# KiCad board myCnc2.kicad_pcb (continued)
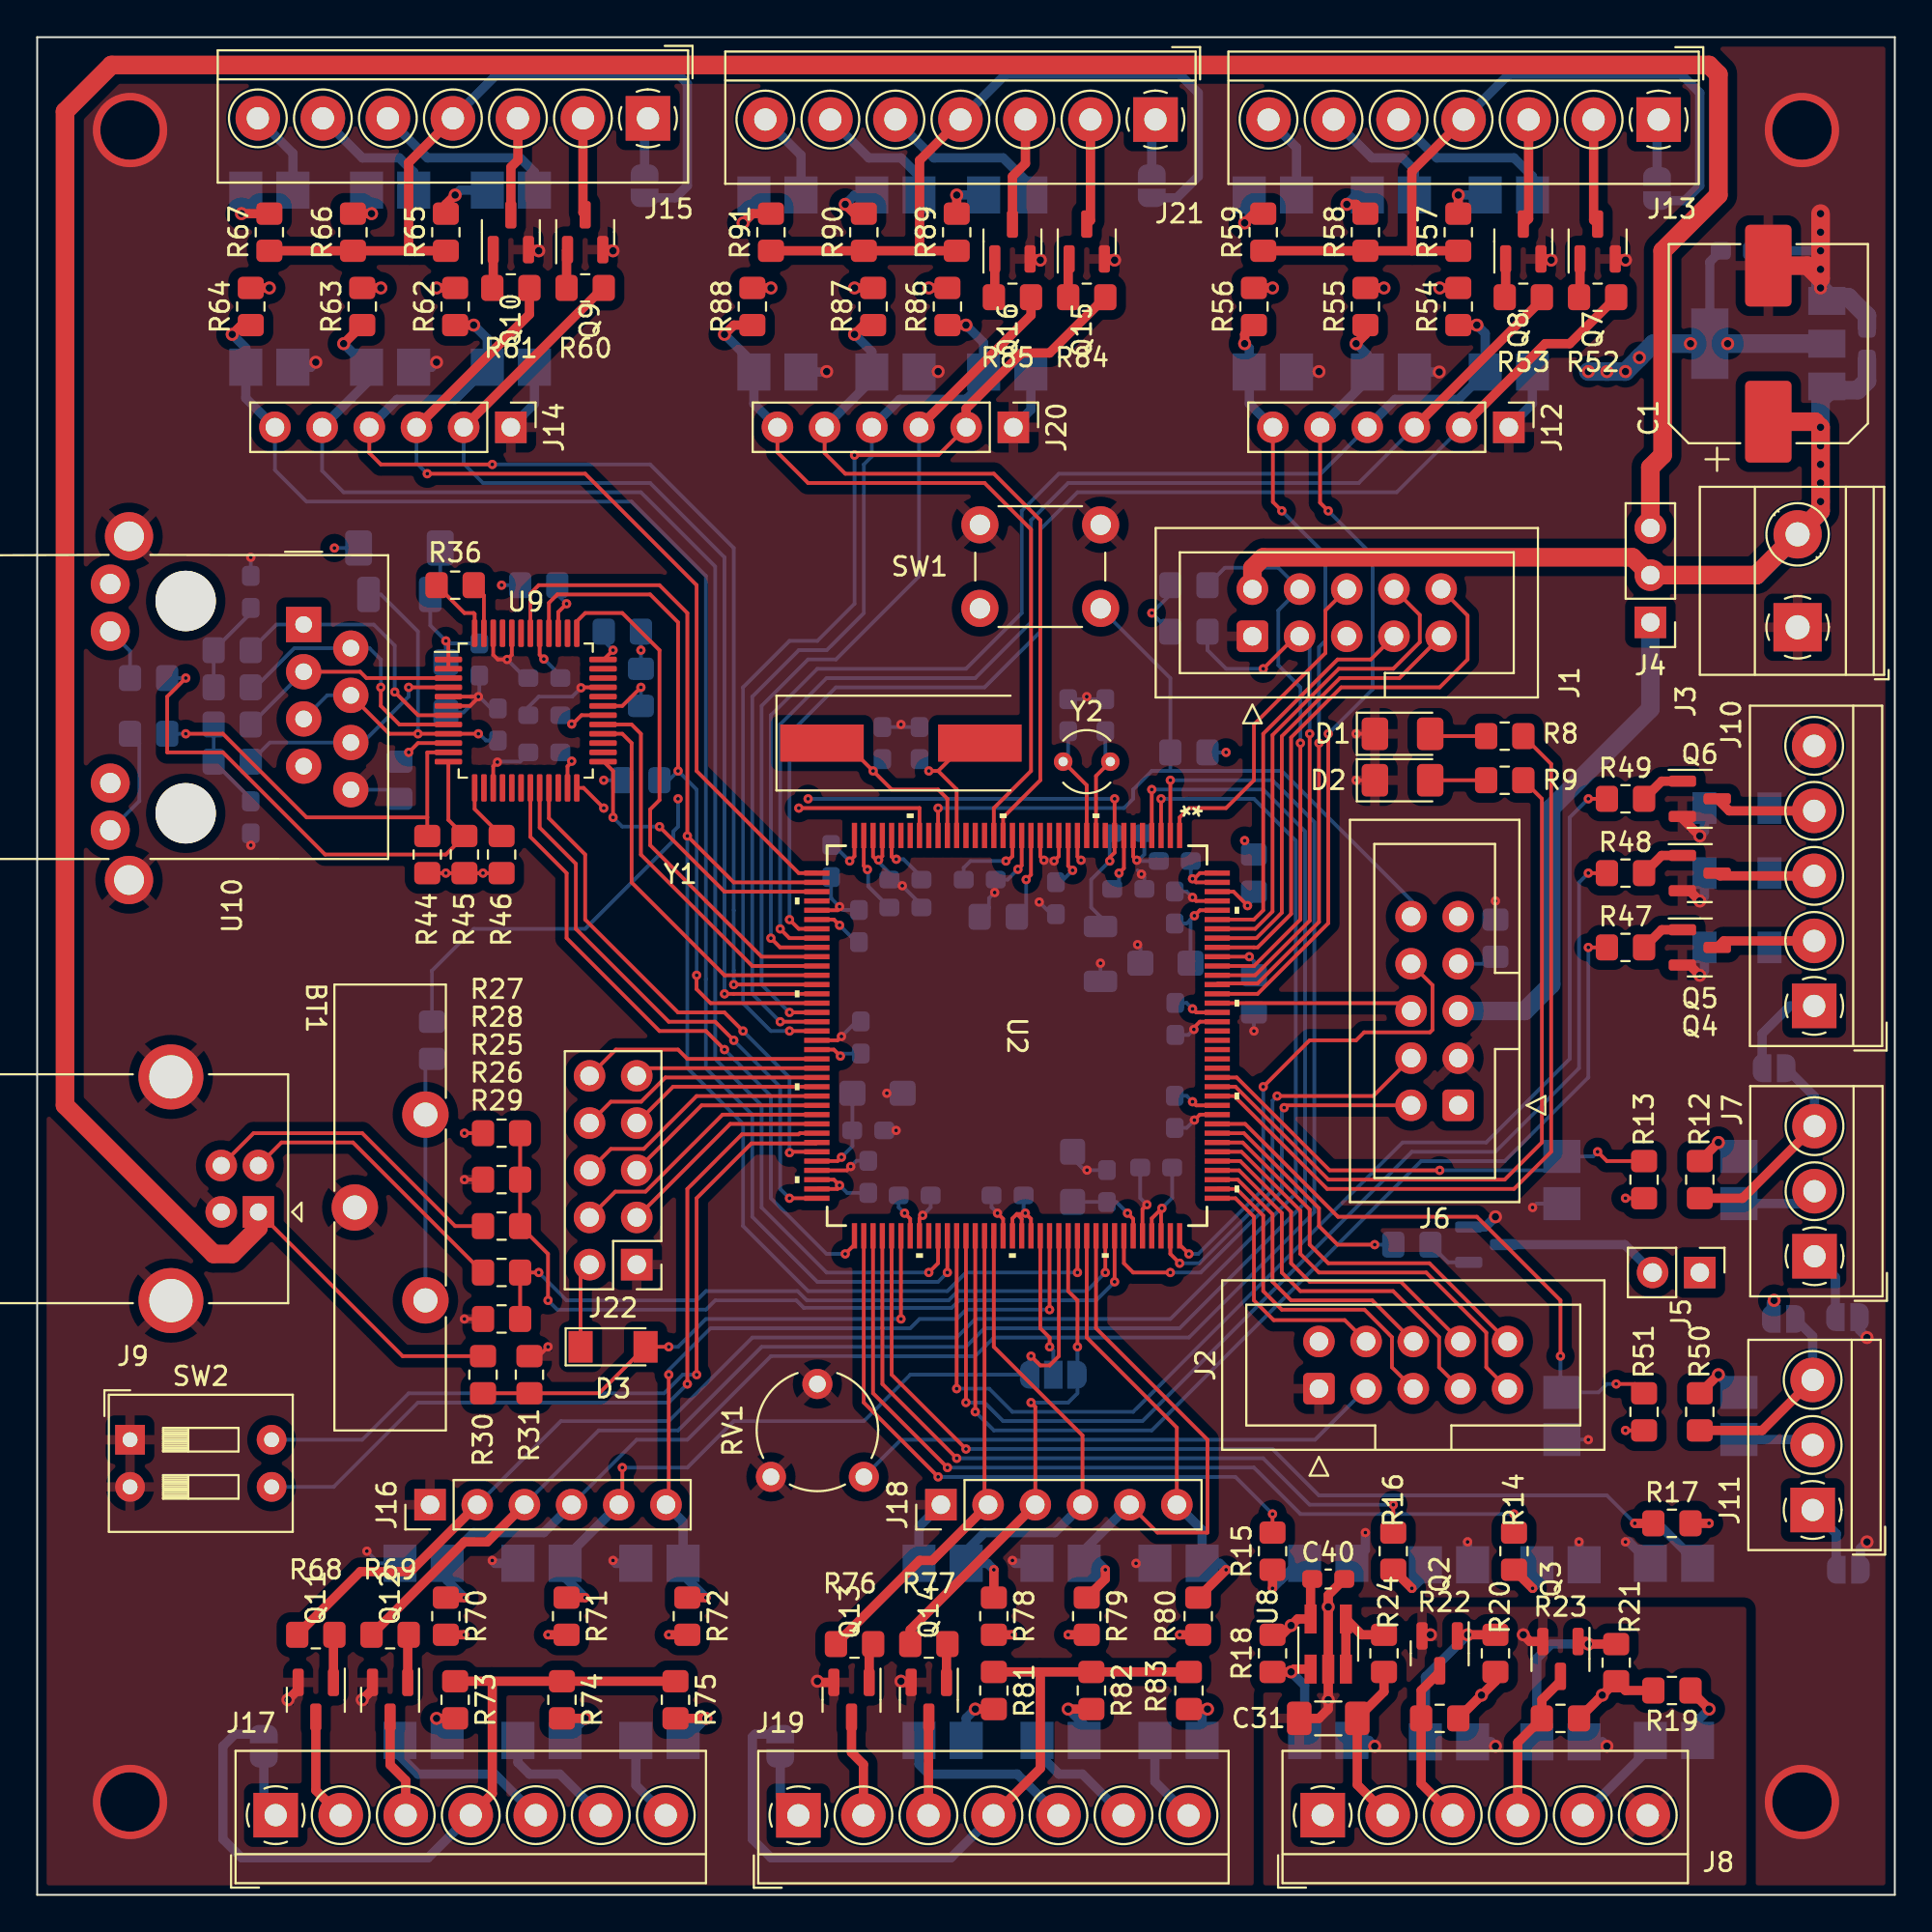
[diagram p0: board, top side]
## Routing (per net, layer and track width the routed paths; a pad name or vN(x,y) marks a point on that pad's centre or on a via; arc(x,y) is an arc through that point) (continued)
/TDO: length 10.6
  Top w0.2: J6.6 73.54,48 U2.130
/TEST1: length 11.8
  Top w0.2: U2.64 37.31,41.5 J22.3
/TEST2: length 14.5
  Top w0.2: J22.4 31.12,37.86 32.75,37.86 36.9,42 U2.63
/TEST3: length 11.1
  Top w0.2: U2.62 35.77,42.5 J22.5
/TEST4: length 13.9
  Top w0.2: J22.6 30.88,40.16 32.66,40.16 35.5,43 U2.61
/TEST5: length 10.5
  Top w0.2: U2.60 34.23,43.5 J22.7
/TEST6: length 13.3
  Top w0.2: J22.8 30.88,42.69 32.51,42.69 33.82,44 U2.59
/TEST7: length 9.9
  Top w0.2: U2.58 32.69,44.5 J22.9
/TEST8: length 13
  Top w0.2: U2.57 35,45 34.5,45.5 31.15,45.5 J22.10
/TIM8CH1: length 7.8
  Top w0.2: v1(54.5,29.5) 54.5,29.5 54.5,30 54,30.5 U2.93
  Bottom w0.2: JP1.2 54.7,29.3 54.7,29.3 v1(54.5,29.5)
/TMS: length 23.3
  Top w0.2: J6.2 67.25,42.5 ; U2.102 58.5,34 59,33.5 v1(61,33.5)
  Bottom w0.2: v1(61,33.5) 62.63,33.5 67,37.87 67,42.25 v1(67.12,42.38)
/USB_DM: length 37.6
  Top w0.2: R29.2 R26.2 v1(27,33.5) ; U2.100 v1(57.5,33.5)
  Bottom w0.2: v1(27,33.5) 28.5,32 35.5,32 36,32.5 40.93,32.5 41.43,32 49.07,32 49.57,32.5 56.5,32.5 57,33 57,33 v1(57.5,33.5)
/USB_DP: length 43.8
  Top w0.2: v1(58,33) U2.101 ; R27.1 R28.2 R25.2 27.5,34.5 v1(27.5,32)
  Bottom w0.2: v1(58,33) 57,32 49.63,32 49.23,31.6 41.27,31.6 40.87,32 36.5,32 36,31.5 28,31.5 v1(27.5,32)
/USB_PWR: length 200.1
  Top w0.2: R30.2 19.67,29 J9.1
  Top w1: J9.1 11.91,35.91 10.5,34.5 9.5,34.5 1.5,42.5 1.5,96 4,98.5 90,98.5 90.5,98 90.5,91.5 87.5,88.5 87.5,77.5 86.84,76.84 J4.3
/USB_SENSE: length 28.6
  Top w0.2: v1(34,29.5) D3.2 30.25,27 R31.2 R30.1 ; v1(46.5,31) 46.5,31 U2.78
  Bottom w0.2: v1(46.5,31) 36,31 34.5,29.5 v1(34,29.5)
/VCAP1: length 5
  Top w0.2: U2.68 43.09,39.5 43.24,39.65
  Bottom w0.2: v1(43.29,39.71) 43.89,40.3 C9.1
/VCAP2: length 5.1
  Top w0.2: U2.140 62.59,53 v1(62.29,52.71)
  Bottom w0.2: C14.1 61.88,52.29 62.24,52.65 62.09,52.5 C12.1
/VCAP3: length 4.5
  Top w0.2: 58.74,36.65 59,36.39 U2.103
  Bottom w0.2: v1(58.69,36.69) 58.1,37.29 C16.1 57.58,37.3 C15.1
Net-(BT1-Pad1): length 13.1
  Bottom w0.2: R6.1 20.9,44.65 BT1.1 BT1.1
Net-(C2-Pad2): length 8.1
  Top w0.2: 48.5,60.5 50,62 Y1.2 ; 48.5,60.5 49.5,59.5 49.5,59.5 U2.25 ; 48.5,60.5 v1(48,60.5)
  Bottom w0.2: v1(48,60.5) 47.5,61 C2.2
Net-(C3-Pad2): length 10.8
  Top w0.2: U2.26 49,59 49,59 48.5,59.5 46,59.5 v1(45,60.5) 43.5,62 Y1.1
  Bottom w0.2: C3.2 45.5,61 v1(45,60.5)
Net-(C4-Pad2): length 6
  Top w0.2: Y2.2 57,60.23 U2.10
  Bottom w0.2: Y2.2 57.5,61.27 C4.2
Net-(C5-Pad2): length 6.2
  Top w0.2: U2.11 56.5,59.73 Y2.1
  Bottom w0.2: C5.2 55.5,61.27 Y2.1
Net-(C7-Pad1): length 4.4
  Top w0.2: U2.35 44.5,55.39 v1(44.69,55.19)
  Bottom w0.2: 44.74,55.15 44.74,54.29 C7.1
Net-(C31-Pad1): length 9
  Top w0.5: J8.2 71.06,5.93 C31.1 72.5,10.94 R24.2
Net-(C35-Pad2): length 5
  Bottom w0.2: R38.1 R39.1 11.5,59 C35.2
Net-(C36-Pad1): length 20.9
  Top w0.2: U10.4 18.95,62.5 U9.9 v1(23.75,62.5)
  Bottom w0.2: U10.5 15.62,64.57 U10.4 ; 23.8,62.5 24.16,62.14 C36.1 ; v1(20.5,62.5) 20.5,68 18.5,70 FB1.2
Net-(C37-Pad2): length 5.1
  Bottom w0.2: R43.1 R42.1 11.5,69 C37.2
Net-(D1-Pad2): length 3.1
  Top w0.2: D1.2 75.11,62.38 R8.1
Net-(D2-Pad2): length 3
  Top w0.2: R9.1 D2.2
Net-(D4-Pad1): length 7.9
  Top w0.5: Q4.3 90.79,51.35 J10.2
  Bottom w0.5: D4.1 93.6,51.35 J10.2
Net-(D5-Pad1): length 7.8
  Top w0.5: J10.3 90.59,54.85 Q5.3
  Bottom w0.5: J10.3 93.4,54.85 D5.1
Net-(D6-Pad1): length 8
  Top w0.5: J10.4 91.09,58.35 Q6.3
  Bottom w0.5: D6.1 93.4,58.35 J10.4
Net-(J2-Pad3): length 29
  Bottom w0.2: RV1.1 46.5,24.5 68.79,24.5 J2.3
Net-(J5-Pad2): length 8.6
  Bottom w0.5: Q1.3 85.46,35 J5.2
Net-(J6-Pad7): length 2.2
  Bottom w0.2: J6.7 78.12,50.12 R7.1
Net-(J7-Pad1): length 3.7
  Bottom w0.5: J7.1 96.8,33.25 JP3.1
Net-(J7-Pad2): length 4.3
  Bottom w0.5: J7.2 95.01,37.21 U3.2
Net-(J7-Pad3): length 11.5
  Top w0.5: R12.2 91.8,37.5 J7.3
  Bottom w0.5: J7.3 95.68,42.97 JP2.1
Net-(J8-Pad3): length 8.9
  Top w0.5: Q2.3 75.5,12 74.5,11 R22.1 74.5,5.99 J8.3
Net-(J8-Pad4): length 8.4
  Top w0.5: J8.4 79.7,8.2 R23.1 81,10.5 82,11.5 Q3.3
Net-(J8-Pad5): length 5.5
  Bottom w0.5: U7.2 86.84,7.93 J8.5
Net-(J9-Pad2): length 15.5
  Top w0.2: J9.2 13.15,40.5 17,40.5 R26.1
Net-(J9-Pad3): length 16.9
  Top w0.2: J9.3 11.65,41 17.5,41 22.5,36 R25.1
Net-(J11-Pad1): length 3.7
  Bottom w0.5: J11.1 96.85,19.44 JP5.1
Net-(J11-Pad2): length 4.1
  Bottom w0.5: U11.2 95.28,24.51 J11.2
Net-(J11-Pad3): length 10.9
  Top w0.5: J11.3 92.86,25 R50.2
  Bottom w0.5: JP4.1 95.58,30.07 J11.3
Net-(J13-Pad2): length 5.7
  Top w0.5: J13.2 83.78,90.15 Q7.3
Net-(J13-Pad3): length 5.7
  Top w0.5: J13.3 80.28,90.22 Q8.3
Net-(J13-Pad4): length 40.5
  Top w0.5: J13.4 74,92.78 74,88.5 ; R59.1 R58.1 74,88.5 ; 74,88.5 R57.1
  Bottom w0.5: JP6.2 88.7,91.2 89.5,92 89.5,97 88.5,98 79.22,98 J13.4
Net-(J13-Pad5): length 9.5
  Bottom w0.5: U12.2 80.49,92.51 79.5,93.5 75.35,93.5 J13.5
Net-(J13-Pad6): length 6.8
  Bottom w0.5: U13.2 74.14,92.86 73.5,93.5 71.85,93.5 J13.6
Net-(J13-Pad7): length 4.7
  Bottom w0.5: J13.7 67.79,94.06 U14.2
Net-(J15-Pad2): length 5.2
  Top w0.5: Q9.3 29.38,90.56 J15.2
Net-(J15-Pad3): length 5.3
  Top w0.5: Q10.3 25.5,93 25.88,93.38 J15.3
Net-(J15-Pad4): length 39.5
  Top w0.5: 20,88.5 20,93.25 J15.4 ; 20,88.5 R65.1 ; 20,88.5 R66.1 R67.1
  Bottom w0.5: J15.4 24.75,98 34.5,98 35,97.5 35,92 34.35,91.35 JP7.2
Net-(J15-Pad5): length 10.1
  Bottom w0.5: J15.5 21.01,93.5 26,93.5 26.77,92.73 U15.2
Net-(J15-Pad6): length 7.1
  Bottom w0.5: J15.6 17.51,93.5 19.5,93.5 20.27,92.73 U16.2
Net-(J15-Pad7): length 4.6
  Bottom w0.5: U17.2 13.77,93.74 J15.7
Net-(J17-Pad2): length 5.8
  Top w0.5: J17.2 15,5.63 Q11.3
Net-(J17-Pad3): length 5.6
  Top w0.5: Q12.3 19,7 19.84,6.16 J17.3
Net-(J17-Pad4): length 41.7
  Top w0.5: 24.5,11.5 24.5,5.45 J17.4 ; 24.5,11.5 R74.1 R75.1 ; 24.5,11.5 R73.1
  Bottom w0.5: J17.4 21.05,2 11,2 10,3 10,8 10.65,8.65 JP8.2
Net-(J17-Pad5): length 9.5
  Bottom w0.5: J17.5 24.63,6.5 20.5,6.5 19.53,7.47 U18.2
Net-(J17-Pad6): length 6.8
  Bottom w0.5: J17.6 28.13,6.5 26.5,6.5 25.88,7.12 U19.2
Net-(J17-Pad7): length 4.7
  Bottom w0.5: U20.2 32.23,5.9 J17.7
Net-(J19-Pad2): length 5.5
  Top w0.5: J19.2 44.48,7.02 43.84,7.66 Q13.3
Net-(J19-Pad3): length 5.3
  Top w0.5: J19.3 47.98,9.54 Q14.3
Net-(J19-Pad4): length 40.7
  Top w0.5: R83.1 R82.1 54,12 ; 54,12 54,6.81 J19.4 ; 54,12 R81.1
  Bottom w0.5: JP9.2 38.65,8.65 38.5,8.5 38.5,3 39.5,2 49.19,2 J19.4
Net-(J19-Pad5): length 9.9
  Bottom w0.5: U21.2 47.47,7.03 48,6.5 52.76,6.5 J19.5
Net-(J19-Pad6): length 6.7
  Bottom w0.5: J19.6 56.26,6.5 55,6.5 53.82,7.68 U22.2
Net-(J19-Pad7): length 4.8
  Bottom w0.5: J19.7 60.17,6.09 U23.2
Net-(J21-Pad2): length 5.7
  Top w0.5: Q15.3 56.7,90.14 J21.2
Net-(J21-Pad3): length 5.9
  Top w0.5: J21.3 53.2,93.2 52.5,92.5 Q16.3
Net-(J21-Pad4): length 39.7
  Top w0.5: R91.1 R90.1 47.5,88.5 ; 47.5,88.5 R89.1 ; 47.5,88.5 47.5,93.37 J21.4
  Bottom w0.5: JP10.2 61.35,91.35 62.5,92.5 62.5,97 61.5,98 52.13,98 J21.4
Net-(J21-Pad5): length 9.3
  Bottom w0.5: J21.5 48.27,93.5 52,93.5 53.49,92.01 U24.2
Net-(J21-Pad6): length 7.1
  Bottom w0.5: J21.6 44.77,93.5 46.5,93.5 47.47,92.53 U25.2
Net-(J21-Pad7): length 4.9
  Bottom w0.5: U26.2 41.12,93.65 J21.7
Net-(Q1-Pad1): length 2.5
  Bottom w0.2: Q1.1 75.95,34.05 R3.2
Net-(Q2-Pad1): length 8.8
  Top w0.5: Q2.1 76.51,14 v2(77,14) R20.1
  Bottom w0.5: U5.4 74.73,11.73 v2(77,14)
Net-(Q3-Pad1): length 9.7
  Top w0.5: R21.1 v2(83.5,13.5) 83.36,13.64 Q3.1
  Bottom w0.5: v2(83.5,13.5) 81.5,13.5 80.73,12.73 U6.4
Net-(Q4-Pad1): length 2.5
  Top w0.5: R47.2 87.45,51.95 Q4.1
Net-(Q5-Pad1): length 2.5
  Top w0.5: R48.2 87.45,55.95 Q5.1
Net-(Q6-Pad1): length 2.5
  Top w0.5: Q6.1 87.45,59.95 R49.2
Net-(Q7-Pad1): length 2.1
  Top w0.5: R52.1 83.05,86.05 Q7.1
Net-(Q8-Pad1): length 2.1
  Top w0.5: R53.2 79.05,86.05 Q8.1
Net-(Q9-Pad1): length 2.1
  Top w0.5: Q9.1 28.5,88.51 R60.1
Net-(Q10-Pad1): length 2.1
  Top w0.5: R61.2 24.55,86.55 Q10.1
Net-(Q11-Pad1): length 2.6
  Top w0.5: Q11.1 15.95,13.95 R68.1
Net-(Q12-Pad1): length 2.6
  Top w0.5: Q12.1 19.95,13.95 R69.2
Net-(Q13-Pad1): length 2.2
  Top w0.5: R76.1 44.79,13.29 Q13.1
Net-(Q14-Pad1): length 2.1
  Top w0.5: Q14.1 48.95,13.45 R77.2
Net-(Q15-Pad1): length 2.1
  Top w0.5: R84.1 55.5,88.01 Q15.1
Net-(Q16-Pad1): length 2.1
  Top w0.5: R85.2 51.55,86.05 Q16.1
Net-(R5-Pad2): length 4.7
  Top w0.2: U2.17 53.5,54.91 v1(53.24,54.65)
  Bottom w0.2: R5.2 53.24,53.15 v1(53.24,54.65)
Net-(R10-Pad1): length 2.8
  Top w0.2: U2.142 64.4,54 v1(65.16,53.25)
  Bottom w0.2: v1(65.16,53.25) 65.5,53.59 R10.1
Net-(R11-Pad1): length 2.8
  Top w0.2: v1(65.25,50.5) 65.25,50.5 U2.135
  Bottom w0.2: v1(65.25,50.5) 65.5,50.25 R11.1
Net-(R12-Pad1): length 2.8
  Top w0.5: R12.1 v2(90.5,40.5)
  Bottom w0.5: U3.1 91.25,39.75 v2(90.5,40.5)
Net-(R14-Pad1): length 2.8
  Top w0.5: R14.1 v1(80.5,16.5)
  Bottom w0.5: U6.1 80.73,16.73 v1(80.5,16.5)
Net-(R15-Pad1): length 3.3
  Top w0.5: R15.1 v1(66.5,16.5)
  Bottom w0.5: U4.1 67.84,17.84 v1(66.5,16.5)
Net-(R16-Pad1): length 3
  Top w0.5: R16.1 v1(74,16.5)
  Bottom w0.5: U5.1 74.73,17.23 v1(74,16.5)
Net-(R18-Pad1): length 6.1
  Top w0.5: U8.1 67.65,12.15 v2(67.5,12) R18.1
  Bottom w0.5: U4.4 68.23,11.27 v2(67.5,12)
Net-(R19-Pad1): length 3.4
  Top w0.5: R19.1 v2(90,10)
  Bottom w0.5: v2(90,10) 89.38,9.38 U7.1
Net-(R24-Pad1): length 5.1
  Top w0.5: U8.3 U8.4 71.3,14 R24.1
Net-(R33-Pad2): length 2
  Top w0.2: U9.36 30.5,66.5 v1(31,67)
  Bottom w0.2: v1(31,67) 30.5,67.5 R33.2
Net-(R34-Pad2): length 3.1
  Top w0.2: U9.10 20.5,62 v1(20,61.5)
  Bottom w0.2: R34.2 v1(20,61.5)
Net-(R35-Pad2): length 3
  Top w0.2: U9.39 28.05,69.05 v1(28.5,69.5)
  Bottom w0.2: R35.2 28,70 v1(28.5,69.5)
Net-(R36-Pad1): length 2.8
  Top w0.2: R36.1 24.05,69.95 U9.47
Net-(R36-Pad2): length 3.7
  Top w0.2: R36.2 23,69 23.5,69 23.55,68.95 U9.48
Net-(R37-Pad1): length 3.5
  Top w0.2: v1(32.5,65) 31.5,64 U9.31
  Bottom w0.2: R37.1 v1(32.5,65)
Net-(R40-Pad2): length 6
  Bottom w0.2: R40.2 5.5,62 5.5,58.88 U10.L4
Net-(R41-Pad2): length 3
  Bottom w0.2: U10.L2 5,66.95 R41.2
Net-(R50-Pad1): length 2.9
  Top w0.5: R50.1 v2(90.5,28)
  Bottom w0.5: U11.1 91.45,27.05 v2(90.5,28)
Net-(R57-Pad2): length 2.5
  Top w0.5: R57.2 v2(76.5,91.5)
  Bottom w0.5: U12.1 76.5,91.5 v2(76.5,91.5)
Net-(R58-Pad2): length 2.5
  Top w0.5: v2(70.5,91) 71,91 R58.2
  Bottom w0.5: v2(70.5,91) 71,91.5 U13.1
Net-(R59-Pad2): length 2.8
  Top w0.5: R59.2 65.5,90.5 v2(65,90)
  Bottom w0.5: v2(65,90) 65.25,90.25 U14.1
Net-(R65-Pad2): length 3
  Top w0.5: R65.2 22,91 v2(22.5,91.5)
  Bottom w0.5: U15.1 22.77,91.77 v2(22.5,91.5)
Net-(R66-Pad2): length 2.4
  Top w0.5: R66.2 v2(18,90.5)
  Bottom w0.5: U16.1 17.73,90.77 v2(18,90.5)
Net-(R67-Pad2): length 2.9
  Top w0.5: R67.2 v2(11,90.5)
  Bottom w0.5: U17.1 11.23,90.73 v2(11,90.5)
Net-(R73-Pad2): length 2.4
  Top w0.5: R73.2 v2(21.5,9.5)
  Bottom w0.5: v2(21.5,9.5) 22.07,8.93 U18.1
Net-(R74-Pad2): length 2.9
  Top w0.5: R74.2 v2(29.5,9.5)
  Bottom w0.5: U19.1 28.42,8.42 v2(29.5,9.5)
Net-(R75-Pad2): length 3.4
  Top w0.5: R75.2 v2(36,9.5)
  Bottom w0.5: v2(36,9.5) 34.81,8.31 U20.1
Net-(R81-Pad2): length 2.9
  Top w0.5: R81.2 v2(50.5,10)
  Bottom w0.5: v2(50.5,10) 50.01,9.51 U21.1
Net-(R82-Pad2): length 3.3
  Top w0.5: R82.2 v2(55.5,10)
  Bottom w0.5: U22.1 56.36,9.14 v2(55.5,10)
Net-(R83-Pad2): length 2.8
  Top w0.5: R83.2 v2(63,10)
  Bottom w0.5: v2(63,10) 62.71,9.71 U23.1
Net-(R89-Pad2): length 2.5
  Top w0.5: R89.2 v2(49.5,91.5)
  Bottom w0.5: U24.1 49.5,91.5 v2(49.5,91.5)
Net-(R90-Pad2): length 2.8
  Top w0.5: v2(43.5,91) 44,90.5 R90.2
  Bottom w0.5: v2(43.5,91) 44,91.5 U25.1
Net-(R91-Pad2): length 3.5
  Top w0.5: R91.2 38.5,90.5 v2(38,90)
  Bottom w0.5: U26.1 38.58,90.58 v2(38,90)

## Copper pours and planes (outline as drawn; the poured copper is in the pictures)
+5V on In2.Cu: 100,0 0,0 0,100 100,100
+10V on In2.Cu: 92,3.5 66,3.5 66,15.5 92,15.5
GND on Top, Bottom: 100,0 0,0 0,100 100,100
GND on In1.Cu: 100,0 0,0 0,100 100,100
GND1 on Top, Bottom, In1.Cu: 92,0 66,0 66,15.5 92,15.5
VDD on Bottom: 100,70 80.5,70 80.5,100 100,100
VDD on In2.Cu: 91.5,13 0,13 0,90 91.5,90
